# Altium PCB ADC130MSPS-V1-01.PcbDoc (part 2 of 7) (continued)
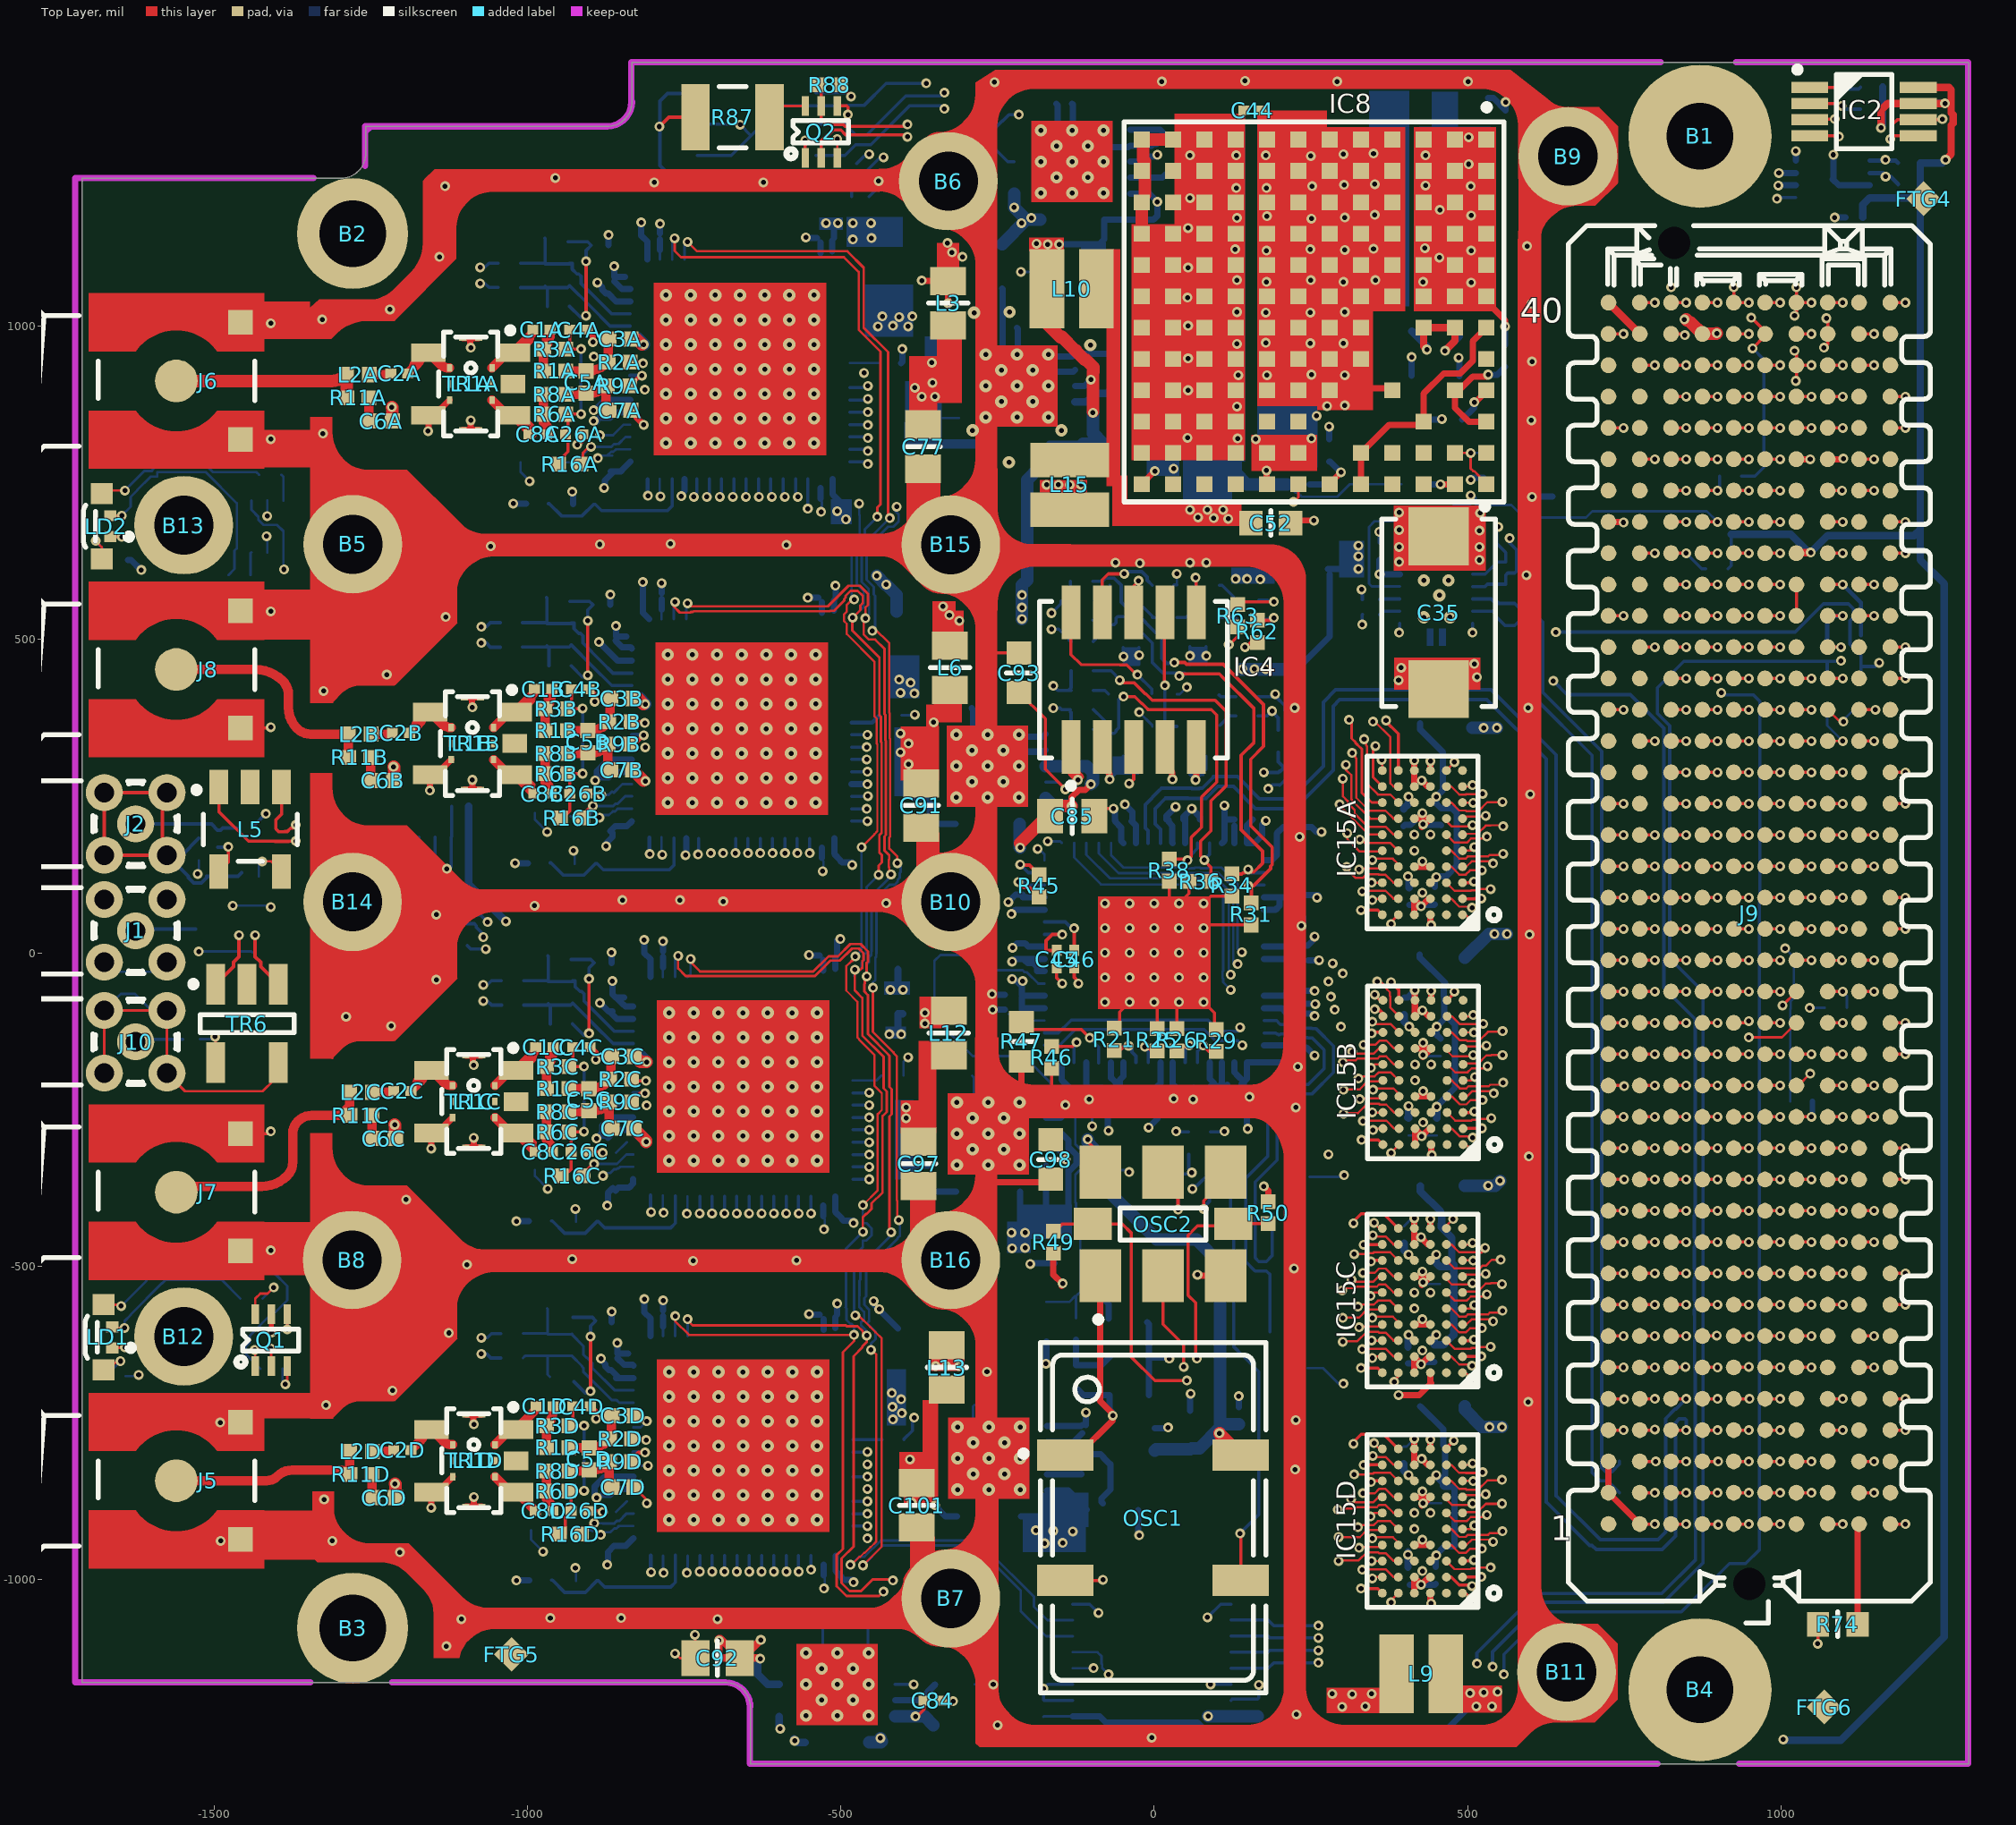
[diagram p0: Top Layer view]
## Part data (continued)
R23 R24 R27 R33 R35 R37 R39 R40 R41 R42 R56 R57 R58 R59 R60 R61 R62 R63 R66 R67 R68 R69 R70 R71 R72 R73: library part R0402_0R_JUMPER, "Resistor - 1%"
R46: library part R0402_5K1_1%_0.0625W_100PPM, "Resistor - 1%"
R47: library part R0603_4K12_0.1%_0.063W_10PPM, "Resistor - 0.1%"
R49 R50: library part R0402_2K2_1%_0.0625W_100PPM, "Resistor - 1%"
R53: library part R0402_1R_1%_0.0625W_200PPM, "Resistor - 1%"
R54: library part R0402_30K_1%_0.0625W_100PPM, "Resistor - 1%"
R55: library part R0402_16K_1%_0.0625W_100PPM, "Resistor - 1%"
R74: library part R0603_4K7_1%_0.1W_100PPM, "Resistor - 1%"
R78 R79: library part R0402_100K_1%_0.0625W_100PPM, "Resistor - 1%"
R81 R82: library part R0402_150K_1%_0.0625W_100PPM, "Resistor - 1%"
R83: library part R0402_390K_1%_0.0625W_100PPM, "Resistor - 1%"
R87: library part R1210_270R_5%_0.5W_200PPM, "Resistor - 5%"
R88: library part R0402_4K7_1%_0.0625W_100PPM, "Resistor - 1%"
TR1A TR1B TR1C TR1D TR2 TR3 TR4 TR5: library part XFMR_ANAREN_BD0205F5050A00, "70MHz - 1000MHz Ultra Low Profile Sub-Miniature Balanced to Unbalanced Transformer"
TR6: library part XFMR_MINI-CIRCUITS_TC1-1+, "50 Ohm  0.4 To 500MHz RF Transformers"
U2: "Differential Bus Transceiver"

## Via types
v1: diameter 15.75, hole 7.87, Top Layer to Bottom Layer, tented both sides, 1222 vias
v2: diameter 19.68, hole 7.87, Top Layer to Bottom Layer, tented both sides, 285 vias
v3: diameter 15.75, hole 7.87, Top Layer to Bottom Layer, 144 vias

## Nets (pads, with @x,y where several pads share a name; then routed paths per layer and width w, separated by ;. In a path a pad name is that pad's centre, name@x,y a point inside that pad or via, vN(x,y) a via of type N, cw(c..) or ccw(c..) an arc to the next point about the centre after c; other vN are vias at no path point)
3P3VAUX: C31.1 C41.1 C74.1 IC2.7 IC2.8 IC5.8 IC13.8 J9.d32 R4.2 R5.2 R32.2 R43.2 R44.2 | length 8251.5
  Top Layer w12: J9.d32@1024.92,638.01 1025.92,639 v1(1048,639) ; v3(1160,1317) 1160,1345 1170.8,1355.8 IC2.7@1219.61,1355.8 v3@1262,1355.8 ; IC2.8@1219.61,1381.39 1268.61,1381.39 1272,1378 1272,1356 ; v3(1263,1266) 1272,1275 1272,1321.14 1274.87,1324.01 1274.87,1337.99 1272,1340.86 1272,1354
  L5 w12: v3(-1035,50) -1052,67 -1084,67 -1125,26 -1181,26 -1255,-48 -1362,-48 -1708.32,-394.32 -1708.32,-935.68 -1663.39,-980.61 -1227.35,-980.61 -1181.83,-1026.13 -1181.83,-1131.17 -1162.2,-1150.8 -689.57,-1150.8 -689.57,-1150.34 -672.82,-1150.34 -672.65,-1150.52 -652.44,-1150.52 -630.11,-1172.85 -630.11,-1243.89 -593.27,-1280.72 416.28,-1280.72 441,-1256 v3(1004,-1256)
  Bottom Layer w5: R5.2@915.72,613 921,618.28 921,668
  Bottom Layer w12: C41.1@-1094.22,234 -1094.22,109.22 v3(-1035,50) ; 921,668 1016,668 1045,639 v1(1048,639) 1075,666 1213,666 1222.72,675.72 ; v3(1004,-1256) 1005,-1257 1096,-1257 1261,-1092 1261,589 1222.72,627.28 1222.72,675.72 ; C31.1@1130.78,1174 1130.78,1194.2 IC5.8@1142.06,1205.47 1142.34,1205.19 1203.24,1205.19 1203.52,1205.47 1214.47,1205.47 1222.72,1213.72 ; v3(1160,1317) 1162.72,1319.72 R32.2@1162.72,1347 R4.2@1162.72,1382 ; C74.1@1239,1356.78 1261.22,1356.78 v3(1262,1356) ; v3(1263,1266) 1258,1261 R43.2@1222.72,1261 R44.2@1222.72,1227 1222.72,1213.72 ; 1222.72,675.72 1222.72,1213.72
ACTIVE1_CLK_N: IC3.34 R34.1 R69.1 | length 726.8
  Top Layer w5.33: v3(40,442) 44.09,446.09 45.04,445.14 68.96,445.14 103.86,445.14 109.49,439.51 159.14,389.86 159.14,353.35 159.14,335.86 ; R34.1@124,125.72 139.67,125.72 141.49,127.54 144.54,127.54 v3@149,132 ; v3@150,132 150,129 159,129 173,143 173,162 138.67,196.33 138.67,315.35 159.16,335.84
  Bottom Layer w5.33: R69.1@-97.28,497 -70.44,523.84 -64.18,523.84 -60.86,527.16 -60.86,534.09 -58.31,536.64 -45,536.64 -3,494.64 -3,463.33 13.65,446.67 48.33,446.67 50,445 ; v3(150,133) 150,129 151.05,127.95 IC3.34@175.2,127.95
ACTIVE1_CLK_P: IC3.35 R31.1 R68.1 | length 781.3
  Top Layer w5.33: v3(32,463.33) 48.53,463.33 51.39,460.46 110.21,460.46 174.46,396.21 174.46,342.21 ; v3@151,106 155,102 R31.1@155,79.72 ; v3@151,107 158.67,107 185.84,134.16 185.84,138.16 188.33,140.65 188.33,168.35 154,202.67 154,309 174.49,329.49 174.49,342.19
  Bottom Layer w5.33: R68.1@-98.28,593 -82.69,593 -77.53,598.16 -64.18,598.16 -52.88,586.86 -52.88,559.85 -45,551.97 -38.65,551.97 12.33,500.99 12.33,469.67 20,462 26,462 v3@32,468 ; v3(150,107) 151.27,108.27 IC3.35@175.2,108.27
ACTIVE2_CLK_N: IC3.28 R38.1 R71.1 | length 580.3
  Top Layer w4.98: v3(-49,409) -31,409 -20.36,398.36 -19.46,398.36 -11.64,390.54 -10.64,389.54 -10.64,388.64 -10.02,388.02 90.98,388.02 99.5,379.5 99.5,272.5 75.47,248.47 75.47,200.54 59.14,184.21 59.14,153.47 v3(53.25,147.59) ; R38.1@24,149.72 48.28,149.72 v3@51,147
  Bottom Layer w4.98: R71.1@-97.28,357 -90.3,350.01 -69.01,350.01 ; -69,350 -66,350 -64.25,350.01 -61.04,353.23 -61.04,354.96 -57,359 -57,404 v3@-50.5,410.5 ; v3(53.25,147.59) 58.59,147.59 59,148 58.64,148 58.64,156.44 68.9,166.7 IC3.28@68.9,175.2
ACTIVE2_CLK_P: IC3.29 R36.1 R70.1 | length 563.7
  Top Layer w4.98: v3(-55,435) -53.98,433.98 -50.64,430.64 -31.45,430.64 -14.16,413.35 -13.26,413.35 -2.91,403 97.19,403 110.09,390.09 114.48,385.71 114.48,266.29 110.09,261.91 90.45,242.26 90.45,194.33 74.12,178 74.12,153.88 v3(80,148) ; v3@81,146 90.72,136.28 R36.1@90.72,114
  Bottom Layer w4.98: R70.1@-97.28,450 -69,450 v3@-54.5,435.5 ; v3(80,148) 79,148 88.58,157.58 IC3.29@88.58,175.2
ACTIVE3_CLK_N: IC3.53 R29.1 R63.1 | length 934.8
  Top Layer w5: R29.1@99,-157.72 86.72,-157.72 78,-149 v1@78,-148.77 ; v3@119,490 119,491 133,505 R63.1@133,520.28 ; v1@78,-148.77 v1(78,-148) 78.38,-148.38 v1@78,-148.77
  L5 w5: v1@78,-149 82,-145 99.28,-145 123.63,-120.65 123.63,-111.52 169.5,-65.64 169.5,49.5 196.94,76.94 196.94,177.5 213.16,193.72 213.16,330.16 260.16,377.16 260.16,417.28 170.44,507 154.81,507 153.44,508.37 136.56,508.37 124.63,496.44 124.63,492.63 124,492 v3(119,492)
  Bottom Layer w5: IC3.53@68.9,-175.2 68.9,-157.1 v1(78,-148) 78.38,-148.38 78,-148.77 v1@78,-149
ACTIVE3_CLK_P: IC3.54 R26.1 R62.1 | length 840.2
  Top Layer w5.33: 48,-150 cw(c50.52,-150) v1@48.74,-148.22 ; v3@145,487 153.28,495.28 R62.1@165,495.28
  L5 w5.33: 48,-149.96 68.12,-129.84 93,-129.84 108.46,-114.37 108.46,-107.18 108.46,-105.24 154.34,-59.36 154.34,55.78 181.78,83.22 181.78,183.78 198,200 198,336.44 245,383.44 245,411 168,488 v3(145,488)
  Bottom Layer w5.33: 48,-150 48,-151 49.21,-152.21 IC3.54@49.21,-175.2
  other v1: 56,-148
ACTIVE4_CLK_N: IC3.57 R25.1 R67.1 | length 678.1
  Top Layer w5: v3@-9.84,-151.16 -4.28,-156.72 R25.1@5,-156.72
  L5 w5: v3(-15,-150) -16,-149 -16,-122 -11,-117 85.71,-117 100.3,-102.41 100.3,-101.85 108.35,-93.8 108.35,117.35 120,129 120,199.29 182,261.29 v3(182,262)
  Bottom Layer w5: IC3.57@-9.84,-175.2 v3@-9.84,-151.16 ; v3(182,262) 188,268 200,268 ; 200,267.65 200.51,267.65 221.5,288.64 221.5,295 221.5,297.31 230,305.81 R67.1@230,320.28
ACTIVE4_CLK_P: IC3.58 R21.1 R66.1 | length 705.9
  Top Layer w5.71: R21.1@-64,-155.72 -55,-155.72 -47.69,-148.41 v3(-41,-148.41)
  L5 w5.71: v3(-41,-148.41) -41,-140 -31.35,-130.35 -31.35,-128.36 -31.35,-115.64 -17.36,-101.65 -2.36,-101.65 79.35,-101.65 84.95,-96.05 84.95,-95.49 93,-87.44 93,123.71 104.65,135.36 104.65,205.65 161.27,262.27 161.27,270.59 173.41,282.73 174,282.73 175,283.73 v3(175,288)
  Bottom Layer w5.71: v3(-41,-148.41) -35.73,-148.41 -35.73,-158.59 -29.53,-164.79 IC3.58@-29.53,-175.2 ; v3(175,288) 198,288 200,290 ; R66.1@198,320.28 198,304.81 206.15,296.67 206.15,295 200.57,289.43
ADC1_CLK_N: C11A.1 R57.2 R69.2 | length 1557.3
  L5 w4.98: v1(-1076,1094.37) -1076,1154 -1040,1190 -650.19,1190 -498.19,1038 -374,1038 -330.98,994.98 -330.98,831.79 -196,696.81 -196,545.57 -167.05,516.63 v3(-164,516.63)
  Bottom Layer w4.98: v1(-1076,1094.37) -1068.41,1094.37 -1061.79,1101 C11A.1@-1046.91,1101 ; v3(-164,516.63) -152.34,516.63 -135.36,499.64 -134.86,499.14 -134.36,498.64 R69.2@-132.72,497 ; R57.2@-133.72,531 -133.72,501.28 -136,499 -135,499 -134,500 R69.2@-133,500
ADC1_CLK_P: C9A.1 R56.2 R68.2 | length 1614.9
  L5 w4.98: v1(-1076,1068.63) -1079.05,1068.63 -1096.36,1085.94 -1096.36,1154.82 -1046.21,1204.98 -643.98,1204.98 -491.98,1052.98 -367.79,1052.98 -316,1001.19 -316,838 -181.02,703.02 -181.02,559.39 v3(-164,542.37)
  Bottom Layer w4.98: v1(-1076,1068.63) -1068.41,1068.63 -1061.79,1062 C9A.1@-1046.91,1062 ; v3(-164,542.37) -148.79,557.59 -148.79,562 R56.2@-133.72,562 ; R56.2@-137,556 -133.72,559.28 R56.2@-133.72,562 ; R68.2@-133.72,593 R56.2@-133.72,562
ADC1_CLKA_N: C11A.2 C13A.1 IC1A.13 R15A.2 R18A.2 | length 267.3
  Bottom Layer w5.3: C11A.2@-1011.47,1101 -973.47,1101 C13A.1@-972.19,1099.72 ; R18A.2@-972.91,1141 -972.19,1140.28 C13A.1@-972.19,1099.72 ; R15A.2@-933.19,1100.72 R15A.2@-929,1100.72 ; IC1A.13@-836.39,1020.32 -866.62,1020.32 -884.85,1038.54 -914.73,1068.46 -914.73,1079.85 -918.62,1083.75 -921.38,1083.75 -929,1091.37 R15A.2@-929,1100.72 ; C13A.1@-972.19,1099.72 -930,1099.72 R15A.2@-929,1100.72
ADC1_CLKA_P: C9A.2 C13A.2 IC1A.12 R15A.1 R17A.2 | length 237
  Bottom Layer w5.3: C9A.2@-1011.47,1062 C13A.2@-969.91,1062 ; C13A.2@-972.19,1064.28 C13A.2@-969.91,1062 ; R17A.2@-968.72,1032 -968.72,1060.81 C13A.2@-969.91,1062 ; -900.15,1032.2 -868.58,1000.63 IC1A.12@-836.39,1000.63 ; -900.15,1032.25 R15A.1@-933.19,1065.28 -936.47,1062 C13A.2@-969.91,1062
ADC1_CLKB_N: C11B.2 C13B.1 IC1B.13 R15B.2 R18B.2 | length 267.3
  Bottom Layer w5.3: C11B.2@-1008.76,527 -970.76,527 C13B.1@-969.47,525.72 ; R18B.2@-970.19,567 -969.47,566.28 C13B.1@-969.47,525.72 ; R15B.2@-930.47,526.72 R15B.2@-926.28,526.72 ; IC1B.13@-833.68,446.32 -863.91,446.32 -882.13,464.54 -912.01,494.46 -912.01,505.85 -915.91,509.75 -918.66,509.75 -926.28,517.37 R15B.2@-926.28,526.72 ; C13B.1@-969.47,525.72 -927.28,525.72 R15B.2@-926.28,526.72
ADC1_CLKB_P: C9B.2 C13B.2 IC1B.12 R15B.1 R17B.2 | length 237
  Bottom Layer w5.3: C9B.2@-1008.76,488 C13B.2@-967.19,488 ; C13B.2@-969.47,490.28 C13B.2@-967.19,488 ; R17B.2@-966,458 -966,486.81 C13B.2@-967.19,488 ; -897.43,458.2 -865.86,426.63 IC1B.12@-833.68,426.63 ; -897.43,458.25 R15B.1@-930.47,491.28 -933.76,488 C13B.2@-967.19,488
ADC1_CLKC_N: C11C.2 C13C.1 IC1C.13 R15C.2 R18C.2 | length 267.3
  Bottom Layer w5.3: C11C.2@-1006.68,-44.57 -968.68,-44.57 C13C.1@-967.39,-45.86 ; R18C.2@-968.11,-4.57 -967.39,-5.29 C13C.1@-967.39,-45.86 ; R15C.2@-928.39,-44.86 R15C.2@-924.2,-44.86 ; -880.05,-107.04 -861.83,-125.26 IC1C.13@-831.6,-125.26 ; -880.05,-106.99 -909.93,-77.11 -909.93,-65.72 -913.83,-61.83 -916.58,-61.83 -924.2,-54.21 R15C.2@-924.2,-44.86 ; C13C.1@-967.39,-45.86 -925.2,-45.86 R15C.2@-924.2,-44.86
ADC1_CLKC_P: C9C.2 C13C.2 IC1C.12 R15C.1 R17C.2 | length 237
  Bottom Layer w5.3: C9C.2@-1006.68,-83.57 C13C.2@-965.11,-83.57 ; C13C.2@-967.39,-81.29 C13C.2@-965.11,-83.57 ; R17C.2@-963.92,-113.57 -963.92,-84.76 C13C.2@-965.11,-83.57 ; -895.36,-113.37 -863.79,-144.94 IC1C.12@-831.6,-144.94 ; -895.36,-113.33 R15C.1@-928.39,-80.29 -931.68,-83.57 C13C.2@-965.11,-83.57
ADC1_CLKD_N: C11D.2 C13D.1 IC1D.13 R15D.2 R18D.2 | length 269.4
  Bottom Layer w4.37: C11D.2@-1007.57,-608 -969.57,-608 C13D.1@-968.28,-609.28 ; R18D.2@-969,-568 -968.28,-568.72 C13D.1@-968.28,-609.28 ; IC1D.13@-831.49,-698.68 -860.93,-698.68 -897.02,-662.6 -897.02,-660.71 -897.02,-654.87 -905.43,-646.45 -906.23,-646.45 -911.29,-641.39 -911.29,-627.63 -929.28,-609.64 R15D.2@-929.28,-608.28 -930.28,-609.28 C13D.1@-968.28,-609.28
ADC1_CLKD_P: C9D.2 C13D.2 IC1D.12 R15D.1 R17D.2 | length 247
  Bottom Layer w4.37: C9D.2@-1007.57,-647 -1004.28,-643.72 R15D.1@-929.28,-643.72 -913.19,-659.81 -913.19,-660.82 -911.38,-662.63 -911.38,-670 -909.93,-670 -865.51,-714.42 -858,-714.42 -854.05,-718.37 IC1D.12@-831.49,-718.37 ; C13D.2@-968.28,-644.72 -968.28,-673.53 R17D.2@-964.81,-677
ADC2_CLK_N: C11B.1 R41.2 R71.2 | length 1200.2
  L5 w5.33: v1(-1074,520.37) -1079.21,515.16 -1093,515.16 -1094.92,517.08 -1094.92,554.08 -1036.33,612.67 -494.67,612.67 -282.65,400.65 -171.02,400.65 v3(-161,390.63)
  Bottom Layer w5.33: v3(-161,390.63) -150.41,390.63 -147.79,388 R41.2@-134,388 ; R41.2@-134,385 -132.72,383.72 R71.2@-132.72,357
  Bottom Layer w5.71: v1(-1074,520.37) -1066.41,520.37 -1059.79,527 C11B.1@-1044.19,527
ADC2_CLK_P: C9B.1 R33.2 R70.2 | length 1255.5
  L5 w5.33: v1(-1074,494.63) -1079.21,499.84 -1099.35,499.84 -1110.24,510.73 -1110.24,560.43 -1042.67,628 -488.33,628 -276.3,415.98 -171.02,415.98 v3(-161,426)
  Bottom Layer w5.33: v3(-161,426) -154,419 R33.2@-132.72,419 ; R33.2@-135,421 -132.72,423.28 R70.2@-132.72,450
  Bottom Layer w5.71: v1(-1074,494.63) -1066.41,494.63 -1059.79,488 C9B.1@-1044.19,488
ADC3_CLK_N: C11C.1 R61.2 R63.2 | length 1835.1
  Top Layer w5: R63.2@136,558 138.37,560.37 v3(191,560.37)
  L5 w5: v1(-1071,-51.2) -1065.63,-56.57 -1000.57,-56.57 -885,59 -438.69,59 -436.99,57.3 -434.86,57.3 -391.56,14 -272,14 -239.84,46.16 -215.84,46.16 -187,75 -187,135.44 -127.28,195.16 -67.84,195.16 -26.63,236.37 -26.63,317 -10.63,333 -10.63,389.54 -13.63,392.54 -13.63,466.46 74.91,555 185.63,555 v3(191,560.37)
  Bottom Layer w5: v1(-1071,-51.2) -1064.41,-51.2 -1057.79,-44.57 C11C.1@-1042.11,-44.57 ; R61.2@166.72,563 181.21,563 183.84,560.37 v3(191,560.37)
ADC3_CLK_P: C9C.1 R60.2 R62.2 | length 1807.9
  Top Layer w5.33: R62.2@165,530.72 189.72,530.72 192,533 v3@192,534
  L5 w5.33: v1(-1071,-76.95) -1065.79,-71.74 -994.29,-71.74 -878.72,43.84 -444.97,43.84 -443.27,42.14 -441.14,42.14 -397.84,-1.16 -265.72,-1.16 -233.56,31 -209.56,31 -171.84,68.72 -171.84,129.16 -121,180 -61.56,180 -11.46,230.09 -11.46,310.72 4.54,326.72 4.54,395.82 1.54,398.82 1.54,460.18 81.19,539.84 185.79,539.84 v3(191,534.63)
  Bottom Layer w5.33: R60.2@166.72,532 181.21,532 183.84,534.63 v3(191,534.63)
  Bottom Layer w5.72: v1(-1071,-76.95) -1064.41,-76.95 -1057.79,-83.57 C9C.1@-1042.11,-83.57
ADC4_CLK_N: C11D.1 R59.2 R67.2 | length 2055
  L5 w5: v1(-1074,-614.63) -1068.63,-620 -978,-620 -871.84,-513.84 -465.84,-513.84 -371,-419 -371,-233 -263.84,-125.84 -244.84,-125.84 -185,-66 -185,-29.56 -142.28,13.16 -120.84,13.16 -108,26 -108,102 -7,203 53,203 83.3,233.3 83.3,332.74 151.72,401.16 174.35,401.16 186.19,413 v3(193,413)
  Bottom Layer w5: v1(-1074,-614.63) -1064.41,-614.63 -1057.79,-608 C11D.1@-1043,-608 ; R59.2@165.72,409 v3@189,409 ; v3@195,407.81 208.37,394.44 208.37,387.63 211,385 211.09,385 218.46,377.63 220.37,377.63 230,368 R67.2@230,355.72
ADC4_CLK_P: C9D.1 R58.2 R66.2 | length 2011.7
  L5 w5.33: v1(-1074,-640.37) -1068.79,-635.16 -971.72,-635.16 -865.56,-529 -459.56,-529 -355.84,-425.28 -355.84,-239.28 -257.56,-141 -238.56,-141 -169.84,-72.28 -169.84,-35.84 -136,-2 -114.56,-2 -92.84,19.72 -92.84,95.72 -0.72,187.84 59.28,187.84 98.46,227.02 98.46,326.46 158,386 v3(188,386)
  Bottom Layer w5.33: R58.2@165.72,378 180.21,378 188,385.79 v3(188,386) ; v3@189,384 198,375 R66.2@198,355.72
  Bottom Layer w5.71: v1(-1074,-640.37) -1065.41,-640.37 -1058.79,-647 C9D.1@-1043,-647
AINA_N: IC1A.9 R2A.2 | length 41.7
  Top Layer w5: R2A.2@-836.28,943 -818,943 v1(-816,941)
  Bottom Layer w5: IC1A.9@-836.39,941.57 -816.57,941.57 v1(-816,941)
AINA_P: IC1A.8 R9A.2 | length 45.4
  Top Layer w6.39: R9A.2@-837.28,905 -821.03,921.25 v1(-817.62,921.25)
  Bottom Layer w6.39: IC1A.8@-836.39,921.89 -818.25,921.89 v1(-817.62,921.25)
AINB_N: IC1B.9 R2B.2 | length 43.5
  Top Layer w5: R2B.2@-835.28,369 -815.28,369 v1(-813.28,367)
  Bottom Layer w5: IC1B.9@-833.68,367.57 -813.86,367.57 v1(-813.28,367)
AINB_P: IC1B.8 R9B.2 | length 46.3
  Top Layer w6.39: R9B.2@-836.28,333 -829.15,333 v1(-814.9,347.25)
  Bottom Layer w6.39: IC1B.8@-833.68,347.89 -815.54,347.89 v1(-814.9,347.25)
AINC_N: IC1C.9 R2C.2 | length 42.5
  Top Layer w5: R2C.2@-832,-202 -829.43,-204.57 v1(-811.2,-204.57)
  Bottom Layer w5: IC1C.9@-831.6,-204 -811.78,-204 v1(-811.2,-204.57)
AINC_P: IC1C.8 R9C.2 | length 36
  Top Layer w6.39: R9C.2@-827,-231 -820.32,-224.32 v1(-812.82,-224.32)
  Bottom Layer w6.39: IC1C.8@-831.6,-223.68 -813.46,-223.68 v1(-812.82,-224.32)
AIND_N: IC1D.9 R2D.2 | length 41.7
  Top Layer w5: R2D.2@-831.38,-776 -813.09,-776 v1(-811.09,-778)
  Bottom Layer w5: IC1D.9@-831.49,-777.43 -811.67,-777.43 v1(-811.09,-778)
AIND_P: IC1D.8 R9D.2 | length 40.7
  Top Layer w6.39: R9D.2@-831,-806 -822.75,-797.75 v1(-812.71,-797.75)
  Bottom Layer w6.39: IC1D.8@-831.49,-797.11 -813.35,-797.11 v1(-812.71,-797.75)
B_CLKOUTAA: IC15A.A1 J9.d20 | length 606.3
  Top Layer w4: IC15A.A1@491.98,60.62 496.94,60.62 505,52.56 v1(505,51.56)
  Top Layer w5: J9.d20@1024.92,38.01 v1(1049,38)
  L5 w5: v1(505,51.56) 686.44,51.56 718,20 1001.09,20 1001.46,20.37 1012.54,20.37 1012.91,20 1031,20 v1(1049,38)
B_CLKOUTAB: IC15B.A1 J9.k16 | length 347.9
  Top Layer w4: IC15B.A1@493,-306.22 497.96,-306.22 506.02,-314.28 v1(506.02,-315.28)
  Top Layer w5: J9.k16@724.92,-161.99 v1(749,-162)
  L5 w5: v1(506.02,-315.28) 575.72,-315.28 729,-162 v1(749,-162)
B_CLKOUTAC: IC15C.A1 J9.g6 | length 462.5
  Top Layer w4: IC15C.A1@491.98,-670.37 496.94,-670.38 505,-678.44 v1(505,-679.44)
  Top Layer w5: J9.g6@874.92,-661.99 v1(899,-662)
  L5 w5: v1(505,-679.44) 678.56,-679.44 720,-638 875,-638 v1(899,-662)
B_CLKOUTAD: IC15D.A1 J9.e2 | length 633.2
  Top Layer w5: IC15D.A1@491.98,-1022.38 496.94,-1022.38 505,-1030.44 v1(505,-1031.44) ; J9.e2@974.92,-861.99 v1(999,-862)
  L3 w5: v1(505,-1031.44) 861.56,-1031.44 945,-948 960,-948 976,-932 976,-890 999,-867 v1(999,-862)
B_DA0A: IC15A.J2 J9.h28 | length 491.4
  Top Layer w3.5: IC15A.J2@466.7,265.35 IC15A.J2@466.39,265.35 474.1,265.35 486.74,252.71 497.21,252.71 497.69,253.18 502.11,253.18 502.36,252.93 503.11,252.93 503.36,253.18 514.64,253.18 515.63,252.19 522.63,252.19 v1(524,253.56)
  Top Layer w5: J9.h28@824.92,438.01 v1(849,438)
  L5 w5: v1(524,253.56) 524,256 550,282 565.06,282 716.06,433 844,433 v1(849,438)
B_DA0B: IC15B.J2 J9.j22 | length 480.9
  Top Layer w3.5: IC15B.J2@467.72,-101.5 IC15B.J2@467.41,-101.5 475.12,-101.5 487.76,-114.14 498.24,-114.14 498.71,-113.66 503.13,-113.66 503.38,-113.91 504.13,-113.91 504.38,-113.66 515.67,-113.66 516.66,-114.65 523.66,-114.65 v1(525.02,-113.28)
  Top Layer w5: J9.j22@774.92,138.01 v1(799,138)
  L3 w5: v1(525.02,-113.28) 530.02,-108.28 539.97,-108.28 730,81.75 730,104 744,118 781,118 799,136 v1(799,138)
B_DA0C: IC15C.J2 J9.g15 | length 587.9
  Top Layer w3.5: IC15C.J2@466.39,-465.65 474.1,-465.65 486.74,-478.29 497.21,-478.29 497.69,-477.82 502.11,-477.82 502.36,-478.07 503.11,-478.07 503.36,-477.82 514.64,-477.82 515.63,-478.81 522.63,-478.81 524,-477.44 523.56,-477 523,-477 528,-472 v1(528,-471) ; IC15C.J2@466.39,-465.65 IC15C.J2@466.7,-465.65
  Top Layer w5: J9.g15@874.92,-211.99 v1(899,-212)
  L5 w5: v1(528,-471) 529,-471 721,-279 721,-259 749,-231 880,-231 v1(899,-212)
B_DA0D: IC15D.J2 J9.j10 | length 602.5
  Top Layer w3.5: IC15D.J2@466.7,-817.65 IC15D.J2@466.39,-817.65 474.1,-817.65 486.74,-830.29 497.21,-830.29
  Top Layer w4.37: 497.21,-830.29 523.15,-830.29 v1(524,-829.44)
  Top Layer w5: J9.j10@774.92,-461.99 v1(799,-462)
  L3 w5: v1(524,-829.44) 529,-824.44 538.94,-824.44 545.32,-818.07 564.68,-818.07 663,-719.75 663,-620 663,-606 739,-530 763,-530 775,-518 775,-482 795,-462 v1(799,-462)
B_DA1A: IC15A.J1 J9.h29 | length 473.9
  Top Layer w3.5: IC15A.J1@491.98,265.35 506.79,265.35 508,266.56 v1(508,267.56)
  Top Layer w5: J9.h29@824.92,488.01 v1(849,488)
  L5 w5: v1(508,267.56) 534.44,294 555,294 707,446 807,446 v1(849,488)
B_DA1B: IC15B.J1 J9.k22 | length 400.7
  Top Layer w3.5: IC15B.J1@493,-101.5 507.81,-101.5 509.02,-100.28 v1(509.02,-99.28)
  Top Layer w5: J9.k22@724.92,138.01 v1(749,138)
  L3 w5: v1(509.02,-99.28) 518.7,-99.28 519.07,-98.91 536.61,-98.91 712,76.48 712,112 738,138 v1(749,138)
B_DA1C: IC15C.J1 J9.g16 | length 575
  Top Layer w3.5: IC15C.J1@491.98,-465.65 506.79,-465.65 508,-464.44 v1(508,-463.44)
  Top Layer w5: J9.g16@874.92,-161.99 v1(899,-162)
  L5 w5: v1(508,-463.44) 508,-462 692,-278 692,-249.57 751.57,-190 871,-190 v1(899,-162)
B_DA1D: IC15D.J1 J9.k10 | length 522.2
  Top Layer w3.5: IC15D.J1@491.98,-817.65 506.79,-817.65 508,-816.44 v1(508,-815.44)
  Top Layer w5: J9.k10@724.92,-461.99 v1(749,-462)
  L3 w5: v1(508,-815.44) 517.67,-815.44 518.05,-815.07 535.59,-815.07 541.59,-809.07 560.95,-809.07 653,-717.02 653,-592 731,-514 731,-480 v1(749,-462)
B_DA2A: IC15A.H2 J9.g27 | length 530.6
  Top Layer w3.5: IC15A.H2@466.39,239.76 474.1,239.76 486.74,227.12 497.21,227.12 498.39,225.93 517.11,225.93 531.73,240.56 555,240.56 555,241.56 555.56,241 v1(556,241)
  Top Layer w5: J9.g27@874.92,388.01 v1(899,388)
  L5 w5: v1(556,241) 569,241 697,369 880,369 v1(899,388)
B_DA2B: IC15B.H2 J9.k20 | length 386.1
  Top Layer w3.5: IC15B.H2@467.41,-127.09 475.12,-127.09 487.76,-139.73 498.24,-139.73 499.42,-140.91 518.13,-140.91 532.76,-126.28 556.02,-126.28 v1(556.02,-125.28)
  Top Layer w5: J9.k20@724.92,38.01 v1(749,38)
  L3 w5: v1(556.02,-125.28) 567.72,-125.28 731,38 v1(749,38)
B_DA2C: IC15C.H2 J9.h13 | length 491.6
  Top Layer w3.5: IC15C.H2@466.39,-491.24 479,-503.85 479,-504 503.71,-504 503.77,-504.07 519.52,-504.07 523.77,-499.82 529,-499.82 538.82,-490 v1(553,-490)
  Top Layer w5: J9.h13@824.92,-311.99 v1(849,-312)
  L5 w5: v1(553,-490) 715,-328 794,-328 795.63,-326.37 834.63,-326.37 v1(849,-312)
B_DA2D: IC15D.H2 J9.k8 | length 514.1
  Top Layer w3.5: IC15D.H2@466.39,-843.24 474.1,-843.24 486.74,-855.88 497.21,-855.88 498.39,-857.07 517.11,-857.07 531.73,-842.44 555,-842.44 v1(555,-841.44)
  Top Layer w5: J9.k8@724.92,-561.99 v1(749,-562)
  L3 w5: v1(555,-841.44) 601.1,-841.44 681,-761.54 681,-631 v1@751,-561
B_DA3A: IC15A.H1 J9.g28 | length 513.7
  Top Layer w3.5: IC15A.H1@491.98,239.76 508.8,239.76 v1(509,239.56)
  Top Layer w5: J9.g28@874.92,438.01 v1(899,438)
  L5 w5: v1(509,239.56) 517.67,239.56 518.05,239.18 529.95,239.18 530.33,239.56 533.57,239.56 549.31,255.3 549.97,255.3 550.05,255.37 559.37,255.37 722,418 879,418 v1(899,438)
B_DA3B: IC15B.H1 J9.j21 | length 419.6
  Top Layer w3.5: IC15B.H1@493,-127.09 509.83,-127.09 v1(510.02,-127.28)
  Top Layer w5: J9.j21@774.92,88.01 v1(799,88)
  L3 w5: v1(510.02,-127.28) 518.7,-127.28 519.07,-127.66 530.98,-127.66 531.35,-127.28 533.7,-127.28 726.98,66 759,66 781,88 v1(799,88)
B_DA3C: IC15C.H1 J9.h14 | length 476.2
  Top Layer w3.5: IC15C.H1@491.98,-491.24 508.8,-491.24 v1(509,-491.44)
  Top Layer w5: J9.h14@824.92,-261.99 v1(849,-262)
  L5 w5: v1(509,-491.44) 530.12,-491.44 728.57,-293 818,-293 v1(849,-262)
B_DA3D: IC15D.H1 J9.j9 | length 539.7
  Top Layer w3.5: IC15D.H1@491.98,-843.24 508.8,-843.24 v1(509,-843.44)
  Top Layer w5: J9.j9@774.92,-511.99 v1(799,-512)
  L3 w5: v1(509,-843.44) 517.67,-843.44 518.05,-843.82 529.95,-843.82 530.33,-843.44 532.67,-843.44 549.05,-827.07 580.93,-827.07 672,-736 672,-615 745,-542 767,-542 776.5,-532.5 778.5,-532.5 v1(799,-512)
B_DA4A: IC15A.G2 J9.h25 | length 451.5
  Top Layer w3.5: IC15A.G2@466.39,214.17 466.39,210.17 475.03,201.53 505.97,201.53 v1(508,203.56) v1@508.93,204.49
  Top Layer w5: J9.h25@824.92,288.01 v1(849,288)
  L5 w5: v1(508,203.56) 536.46,203.56 541.63,208.73 541.63,208.95 546.79,214.11 547.01,214.11 550.2,217.3 618.3,217.3 689,288 v1(849,288)
B_DA4B: IC15B.G2 J9.k19 | length 378.1
  Top Layer w3.5: IC15B.G2@467.41,-152.68 467.41,-156.67 476.06,-165.32 506.99,-165.32 v1(509.02,-163.28) v1@509.95,-162.36
  Top Layer w5: J9.k19@724.92,-11.99 v1(749,-12)
  L3 w5: v1(509.02,-163.28) 535.7,-163.28 550.07,-148.91 612.09,-148.91 v1(749,-12)
B_DA4C: IC15C.G2 J9.g12 | length 538.9
  Top Layer w3.5: IC15C.G2@466.39,-516.83 466.39,-520.83 475.03,-529.47 505.97,-529.47 v1(508,-527.44) v1@508.93,-526.51 ; IC15C.G2@466.39,-520.82 IC15C.G2@466.39,-516.83
  Top Layer w5: J9.g12@874.92,-361.99 v1(899,-362)
  L5 w5: v1(508,-527.44) 527,-527.44 528.63,-525.82 534.54,-525.82 539.81,-520.54 544.54,-520.54 549.46,-515.63 550.37,-515.63 552.3,-513.7 576.3,-513.7 713.63,-376.37 884.63,-376.37 v1(899,-362)
B_DA4D: IC15D.G2 J9.k7 | length 489.9
  Top Layer w3.5: IC15D.G2@466.39,-868.83 466.39,-872.83 475.03,-881.47 505.97,-881.47 v1(508,-879.44) v1@508.93,-878.51
  Top Layer w5: J9.k7@724.92,-611.99 v1(749,-612)
  L3 w5: v1(508,-879.44) 534.67,-879.44 549.05,-865.07 602.93,-865.07 706,-762 706,-655 v1(749,-612)
B_DA5A: IC15A.G1 J9.h26 | length 448.2
  Top Layer w3.5: IC15A.G1@491.98,214.17 494.99,217.18 530.38,217.18 v1@531,216.56
  Top Layer w5: J9.h26@824.92,338.01 v1(849,338)
  L5 w5: v1(529,218.56) 537.07,226.63 595.51,226.63 723.88,355 832,355 v1(849,338)
B_DA5B: IC15B.G1 J9.f20 | length 561.3
  Top Layer w3.5: IC15B.G1@493,-152.68 496.02,-149.66 531.4,-149.66 v1@532.02,-150.28
  Top Layer w5: J9.f20@924.92,38.01 v1(949,38)
  L3 w5: v1(530.02,-148.28) 538.4,-139.91 572.09,-139.91 710,-2 710,-1 727.5,16.5 927.5,16.5 v1(949,38)
B_DA5C: IC15C.G1 J9.g13 | length 517.6
  Top Layer w3.5: IC15C.G1@491.98,-516.83 494.99,-513.82 530.38,-513.82 v1@531,-514.44
  Top Layer w5: J9.g13@874.92,-311.99 v1(899,-312)
  L5 w5: v1(529,-512.44) 538.73,-512.44 545.84,-505.33 551.64,-505.33 552.27,-504.7 563.3,-504.7 730,-338 873,-338 v1(899,-312)
B_DA5D: IC15D.G1 J9.f10 | length 721.8
  Top Layer w3.5: IC15D.G1@491.98,-868.83 494.99,-865.82 530.38,-865.82 v1@531,-866.44
  Top Layer w5: J9.f10@924.92,-461.99 v1(949,-462)
  L3 w5: v1(529,-864.44) 537.37,-856.07 599.21,-856.07 691,-764.27 691,-644 795,-540 848,-540 926,-462 v1(949,-462)
B_DA6A: IC15A.F2 J9.g24 | length 495.7
  Top Layer w3.5: IC15A.F2@466.39,188.57 466.7,188.57 479.34,175.93 499.11,175.93 505.36,182.18 516.64,182.18 517.07,181.76 517.5,182.18 527.62,182.18 v1(531,185.56)
  Top Layer w5: J9.g24@874.92,238.01 v1(899,238)
  L5 w5: v1(531,185.56) 654.56,185.56 687.78,218.78 739.78,218.78 744.63,223.63 884.63,223.63 v1(899,238)
  L3 w5: v1(531,185.56) 538.6,185.56 v1@538.69,185.65